# Altium PCB Copy of GameBoard_V1I1_083018.PcbDoc (part 18 of 21) (continued)
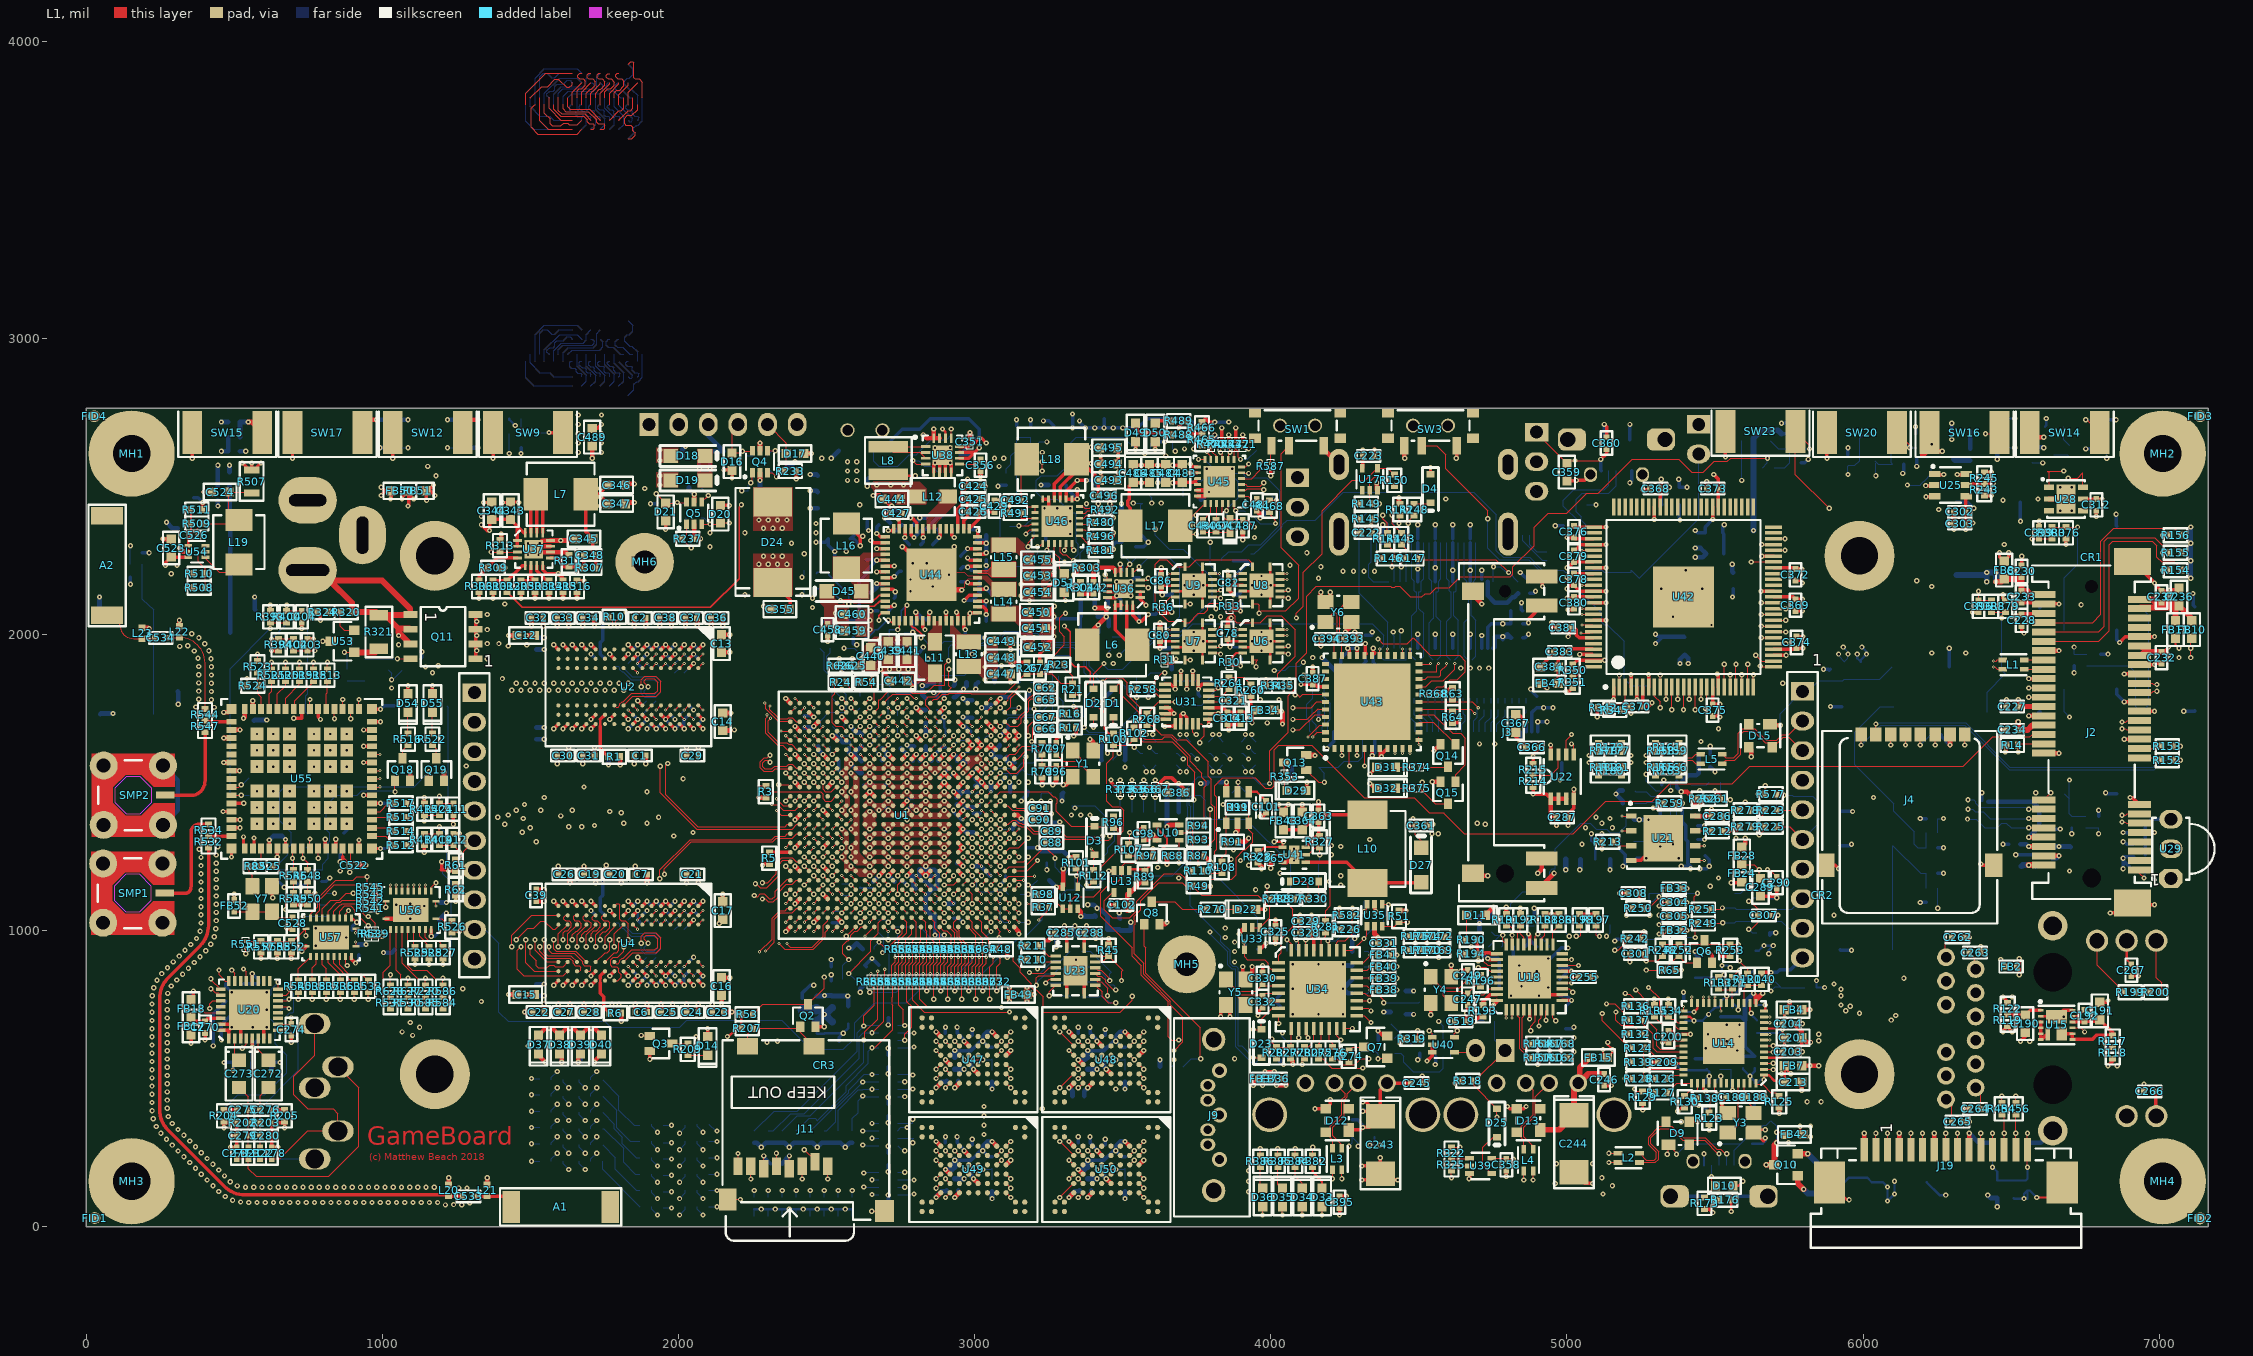
[diagram p0: L1 view]
## Nets (pads, with @x,y where several pads share a name; then routed paths per layer and width w, separated by ;. In a path a pad name is that pad's centre, name@x,y a point inside that pad or via, vN(x,y) a via of type N, cw(c..) or ccw(c..) an arc to the next point about the centre after c; other vN are vias at no path point) (continued)
  L12 w3.66: R572.1@1610.24,440.94 1610.24,433.07 v1(1629.92,413.39)
  L12 w3.94: R602.1@1948.82,283.46 v1(1976.38,283.46)
SD1_CMD: R599.2 R600.2 U1.B21 | length 1973.3
  L1 w3.66: U1.B21@3102.36,1137.8 v2(3118.11,1153.54)
  L10 w3.66: v1(1929.13,94.49) 1983.25,94.49 1997.88,109.11 2006.75,109.11 2055.26,157.62 2055.26,337.85 2062.99,345.59 2062.99,367.2 2090.6,394.8 2369.05,394.8 2601.26,627.01 2601.26,673.12 2619.93,691.79 2644.55,691.79 2728.48,775.73 2728.48,789.67 2828.58,889.76 3044.18,889.76 3118.39,963.97 3118.39,1050.58 3090.55,1078.42 3090.55,1098.55 3106.3,1114.3 3106.3,1141.73 v2(3118.11,1153.54)
  L12 w3.66: R599.2@1909.45,122.05 1909.45,114.17 v1(1929.13,94.49)
SD1_CMD_BOOT: R599.1 R616.1 | length 212.6
  L12 w3.94: R616.1@1744.09,275.59 1787.4,232.28 1787.4,192.91 1858.27,122.05 R599.1@1870.08,122.05
SD1_CMD_WIFI: R570.1 R600.1 | length 463.5
  L3 w3.66: v1(1629.92,248.03) 1657.2,220.75 1809.04,220.75 1903.8,125.98 1968.5,125.98 v1(1976.38,118.11)
  L12 w3.66: R570.1@1610.24,275.59 1610.24,267.72 v1(1629.92,248.03)
  L12 w3.94: R600.1@1948.82,118.11 v1(1976.38,118.11)
SD1_DATA0: R591.2 R592.2 U1.A21 | length 2030.5
  L1 w3.94: U1.A21@3133.86,1137.8 v2(3149.61,1153.54)
  L10 w3.94: v1(1929.13,39.37) 1933.07,43.31 1984.25,43.31 2000,59.06 2039.37,59.06 2062.99,82.68 2062.99,334.65 2078.74,350.39 2335.58,350.39 2609,623.81 2609,639.21 2666.69,696.91 2666.69,702.99 2736.22,772.52 2736.22,786.47 2827.71,877.95 3043.31,877.95 3126.12,960.77 3126.12,1053.79 3098.29,1081.62 3098.29,1094.35 3103.73,1099.8 3129.92,1125.98 3129.92,1133.86 v2(3149.61,1153.54)
  L12 w3.66: R591.2@1909.45,66.93 1909.45,59.05 v1(1929.13,39.37)
SD1_DATA0_BOOT: R221.1 R591.1 | length 205.7
  L12 w3.94: R221.1@1744.09,220.47 1744.09,192.91 R591.1@1870.08,66.93
SD1_DATA0_WIFI: R562.1 R592.1 | length 463.5
  L3 w3.66: v1(1629.92,192.91) 1644.55,178.29 1818.87,178.29 1922.36,74.8 1964.57,74.8 v1(1976.38,62.99)
  L12 w3.66: R562.1@1610.24,220.47 1610.24,212.6 v1(1629.92,192.91)
  L12 w3.94: R592.1@1948.82,62.99 v1(1976.38,62.99)
SD1_DATA1: R593.2 R594.2 U1.C20 | length 1910
  L1 w3.66: v2(3055.12,1153.54) U1.C20@3070.87,1169.29
  L10 w3.66: v1(1929.13,149.61) 1976.38,149.61 2040.37,213.6 2040.37,362.2 2080.57,402.4 2365.9,402.4 2593.66,630.16 2593.66,676.27 2616.78,699.39 2641.4,699.39 2720.89,778.87 2720.89,792.82 2829.64,901.57 3045.24,901.57 3110.79,967.12 3110.79,1047.43 3055.12,1103.1 v2(3055.12,1153.54)
  L12 w3.66: R593.2@1909.45,177.17 1909.45,169.29 v1(1929.13,149.61)
SD1_DATA1_BOOT: R230.1 R593.1 | length 217.3
  L12 w3.94: R230.1@1744.09,330.71 1748.03,330.71 1814.96,263.78 1814.96,216.54 1854.33,177.17 R593.1@1870.08,177.17
SD1_DATA1_WIFI: R564.1 R594.1 | length 463.5
  L3 w3.66: v1(1629.92,303.15) 1657.2,275.87 1810.75,275.87 1897.64,188.98 1960.63,188.98 v1(1976.38,173.23)
  L12 w3.66: R564.1@1610.24,330.71 1610.24,322.83 v1(1629.92,303.15)
  L12 w3.94: R594.1@1948.82,173.23 v1(1976.38,173.23)
SD1_DATA2: R595.2 R596.2 U1.E19 | length 1905.1
  L1 w3.66: U1.E19@3007.87,1200.79 v2(3023.62,1185.04)
  L10 w3.66: v1(1929.13,204.72) 1933.07,208.66 1987.19,208.66 1997.88,219.35 2010.69,219.35 2031.5,240.16 2031.5,364.08 2077.42,410 2362.76,410 2586.06,633.31 2586.06,679.42 2613.63,706.99 2638.25,706.99 2713.29,782.02 2713.29,795.96 2827.46,910.14 3043.06,910.14 3102.36,969.44 3102.36,980.28 3103.19,980.28 3103.19,1044.29 3039.37,1108.11 3039.37,1169.29 v2(3023.62,1185.04)
  L12 w3.66: R595.2@1909.45,232.28 1909.45,224.41 v1(1929.13,204.72)
SD1_DATA2_BOOT: R560.1 R595.1 | length 212.6
  L12 w3.94: R560.1@1744.09,385.83 1783.46,346.46 1783.46,329.75 1811.02,302.19 1811.02,279.53 1858.27,232.28 R595.1@1870.08,232.28
SD1_DATA2_WIFI: R566.1 R596.1 | length 463.5
  L3 w3.66: v1(1629.92,358.27) 1657.2,330.98 1697.64,330.98 1702.97,325.65 1816.08,325.65 1897.91,243.82 1960.91,243.82 v1(1976.38,228.35)
  L12 w3.66: R566.1@1610.24,385.83 1610.24,377.95 v1(1629.92,358.27)
  L12 w3.94: R596.1@1948.82,228.35 v1(1976.38,228.35)
SD1_DATA3: R597.2 R598.2 U1.F18 | length 1802.1
  L1 w3.66: v2(2960.63,1248.03) U1.F18@2976.38,1232.28
  L10 w3.66: v1(1929.13,318.9) 2035.43,425.2 2350.12,425.2 2570.73,645.81 2570.73,685.58 2607.34,722.18 2631.96,722.18 2677.17,767.39 2677.17,795.28 2818.9,937.01 2968.5,937.01 3042.19,1010.69 3058.93,1010.69 3069.74,1021.5 3069.74,1056.24 2987.07,1138.92 2986.07,1138.92 2977.5,1147.49 2977.5,1148.27 2976.65,1148.27 2976.38,1148.54 2976.38,1224.41 2960.63,1240.16 v2(2960.63,1248.03)
  L12 w3.66: R597.2@1909.45,346.46 R597.2@1909.45,342.52 1909.45,338.58 v1(1929.13,318.9)
SD1_DATA3_BOOT: R580.1 R597.1 | length 217.3
  L12 w3.94: R580.1@1744.09,496.06 1799.21,440.94 1799.21,393.7 1850.39,342.52 R597.1@1870.08,342.52
SD1_DATA3_WIFI: R568.1 R598.1 | length 461.9
  L3 w3.66: v1(1629.92,468.5) 1661.14,437.28 1843.82,437.28 1918.35,362.76 1956.14,362.76 v1(1976.38,342.52)
  L12 w3.66: R568.1@1610.24,496.06 1610.24,488.19 v1(1629.92,468.5)
  L12 w3.94: R598.1@1948.82,342.52 v1(1976.38,342.52)
SD2_ACT: Q3.1 U1.T3 | length 4276.7
  L1 w3.66: U1.T3@2661.42,1704.73 v3(2677.16,1688.98)
  L1 w3.94: v1(1874.02,645.67) 1875.98,643.7 Q3.1@1903.54,643.7
  L3 w3.94: v1(1283.46,1555.12) 1248.03,1590.55 1248.03,1842.52 1263.78,1858.27 1381.89,1858.27 1389.76,1850.39 v1(1405.51,1850.39) ; v1(2224.41,2133.86) 2303.15,2133.86 2307.09,2129.92 2338.58,2129.92 2374.02,2165.35 2414.58,2165.35 2435.25,2144.68 2454.26,2144.68 2467.52,2131.42 2467.52,2112.41 2503.94,2076 2503.94,2028.23 2516.42,2015.75 2566.93,2015.75 2603.35,1979.33 2608.48,1979.33 2617.13,1970.68 2617.13,1937.22 2603.35,1923.44 2603.35,1911.21 2629.92,1884.63 2629.92,1835.94 2662.01,1803.85 2662.01,1721.11 2665.35,1717.77 v4(2665.35,1700.79)
  L10 w3.94: v1(1283.46,1555.12) 1262.68,1534.33 1262.68,1454.24 1217.52,1409.08 1217.52,1348.89 1220.47,1345.94 1220.47,1226.08 1201.77,1207.38 1201.77,1070.87 1169.29,1038.39 1169.29,995.08 1159.24,995.08 1150.59,986.43 1150.59,985.24 1138.33,972.97 1114.7,972.97 996.06,854.33 996.06,811.02 1031.5,775.59 1102.23,775.59 1104.91,778.27 1169.97,778.27 1174.75,783.05 1189.39,783.05 1196.85,775.59 1209.6,775.59 1215.94,781.93 1223.43,781.93 1240.71,799.21 1242.9,799.21 1265.54,821.85 1277.77,821.85 1300.41,799.21 1334.65,799.21 1366.26,767.6 1366.26,758.24 1478.83,645.67 v1(1874.02,645.67) ; v1(1405.51,1850.39) 1425.2,1850.39 1460.63,1885.83 1704.72,1885.83 1744.09,1925.2 1744.09,2051.18 1783.46,2090.55 2208.66,2090.55 2224.41,2106.3 v1(2224.41,2133.86)
  L2 w3.94: v4(2665.35,1700.79) v3(2677.16,1688.98)
SD2_BT_EN: R621.1 R624.1 | length 2772.2
  L3 w3.94: v1(838.58,1125.98) 872.82,1125.98 925.2,1178.36 925.2,1240.16 960.63,1275.59 960.63,1381.89 922.24,1420.28 922.24,1462.81 937.01,1477.57 937.01,1546.05 951.77,1560.81 951.77,1573.04 944.88,1579.93 944.88,1606.3 1051.18,1712.6 1051.18,1885.83 1065.75,1900.39 1065.75,1947.64 1141.73,2023.62 1278.33,2023.62 1286.21,2031.5 1309.83,2031.5 1312.78,2028.54 1335.11,2028.54 1344.95,2038.39 1376.97,2038.39 1433.07,2094.49 1475.7,2094.49 1497.66,2116.45 1500.47,2116.45 1509.63,2107.28 1521.86,2107.28 1532.69,2118.11 1546.05,2118.11 1556.88,2107.28 1569.11,2107.28 1579.93,2118.11 1593.29,2118.11 1604.12,2107.28 1616.35,2107.28 1627.18,2118.11 1640.54,2118.11 1651.36,2107.28 1780.51,2107.28 1791.34,2118.11 2158.16,2118.11 2173.9,2102.36 2255.91,2102.36 2266.18,2112.64 2316.5,2112.64 2326.77,2102.36 2357.47,2102.36 2507.08,1952.76 v1(2559.06,1952.76)
  L12 w3.94: R624.1@814.96,1125.98 v1(838.58,1125.98) ; v1(2559.06,1952.76) 2593.29,1952.76 2613.96,1932.09 2626.97,1932.09 R621.1@2641.73,1917.32
SD2_CD: Q2.3 R53.1 U1.R6 | length 1383.4
  L1 w3.66: R53.1@2251.97,716.54 2285.43,750 Q2.3@2437.01,750 2492.13,805.12 v1(2492.13,842.52) ; U1.R6@2692.91,1610.24 v2(2708.66,1625.98)
  L10 w3.66: v1(2492.13,842.52) 2501.97,832.68 2534.46,832.68 2550.06,848.27 2550.06,861.02 2565.6,876.56 2581.6,876.56 2605.18,900.13 2605.18,900.45 2637.66,932.93 2637.66,971.24 2674.29,1007.87 2709.79,1007.87 2725.53,1023.61 2725.53,1034.49 2740.43,1049.39 2740.43,1101.57 2757.03,1118.17 2757.03,1129.92 2763.78,1136.67 2777.71,1136.67 2791.34,1150.3 2791.34,1259.78 2786.21,1264.9 2765.6,1264.9 2755.91,1274.59 2755.91,1606.3 2736.22,1625.98 v2(2708.66,1625.98)
SD2_CDn: J11.9 J11.10 Q2.1 R207.1 | length 355.2
  L1 w3.66: 2204.72,637.8 J11.10@2233.27,609.25 2233.27,650.59 R207.1@2251.97,669.29 2405.51,669.29 Q2.1@2411.42,675.2 2411.42,655.51 J11.9@2457.68,609.25
SD2_CLK: R56.2 R613.2 R614.2 | length 1590
  L10 w3.66: v1(2082.68,259.84) 2145.67,259.84 2185.32,299.49 2258.38,299.49 2264.03,305.14 2333.74,305.14 2660.63,632.03 2674.27,632.03 2694.04,651.79 2694.04,687.16 2709.63,702.76 2709.63,715.38 2779.53,785.27 2779.53,804.22 2832.19,856.88 3098.03,856.88 3124.86,883.71 3124.86,914.15 3139.57,928.86 3169.34,928.86 3177.17,936.68 3177.17,1027.56 v2(3181.1,1027.56)
  L12 w3.66: R613.2@2062.99,287.4 2062.99,279.53 v1(2082.68,259.84) ; R56.2@3153.54,1027.56 v2(3181.1,1027.56)
SD2_CLK_BOOT: R613.1 R619.1 | length 560.3
  L3 w3.66: v1(1685.04,413.39) 1710.06,388.37 1828.17,388.37 1883.01,333.52 1936.06,333.52 1962.22,307.36 1969.29,307.36 1978.57,298.09 1982.44,298.09 1993.13,287.4 v1(2129.92,287.4)
  L12 w3.66: R619.1@1665.35,440.95 1665.35,433.07 v1(1685.04,413.39)
  L12 w3.94: R613.1@2102.36,287.4 v1(2129.92,287.4)
SD2_CLK_R: R56.1 U1.C21 | length 137.4
  L1 w3.66: U1.C21@3070.87,1137.8 v2(3086.61,1122.05)
  L12 w3.66: v2(3086.61,1122.05) 3086.61,1039.37 3098.43,1027.56 R56.1@3114.17,1027.56
SD2_CLK_WIFI: R573.1 R614.1 | length 640
  L3 w3.94: v1(1503.94,444.88) 1570.73,378.09 1698.65,378.09 1703.71,373.03 1819.01,373.03 1900.84,291.2 1947.89,291.2 1961.61,277.48 1961.61,277.35 1975.18,263.78 2000,263.78 v1(2003.94,259.84)
  L12 w3.66: v1(2003.94,259.84) 2023.62,279.53 R614.1@2023.62,287.4
  L12 w3.94: v1(1503.94,444.88) R573.1@1531.5,444.88
SD2_CMD: R52.1 R55.2 R611.2 R612.2 | length 1884.5
  L10 w3.66: v1(2082.68,94.49) 2090.55,86.61 2137.8,86.61 2181.1,129.92 2181.1,173.23 2224.68,216.81 2224.68,251.18 2250.2,276.69 2267.82,276.69 2273.47,282.34 2368.96,282.34 2629.65,543.03 2640.39,543.03 2650.43,553.07 2681.99,584.63 2686.44,589.08 2686.44,611.57 2738.48,663.61 2738.48,689.66 2802.32,753.49 2802.32,794.77 2829.96,822.41 3095.8,822.41 3147.69,874.29 3157.76,874.29 3179.02,895.56 3179.02,906.3 3206.67,933.95 3206.67,972.19 3216.26,981.78 3216.26,1064.33 3181.1,1099.49 v2(3181.1,1122.05)
  L12 w3.66: R611.2@2062.99,122.05 2062.99,114.17 v1(2082.68,94.49) ; R55.2@3153.54,1122.05 v2(3181.1,1122.05) R52.1@3213.07,1122.05
SD2_CMD_BOOT: R611.1 R617.1 | length 560.4
  L3 w3.66: v1(1685.04,248.03) 1704.72,228.35 1812.19,228.35 1876.3,164.23 1942.94,164.23 1946.28,160.89 1946.28,160.76 1965.17,141.87 1973.37,141.87 1993.19,122.05 v1(2129.92,122.05)
  L12 w3.66: R617.1@1665.35,275.59 1665.35,267.72 v1(1685.04,248.03)
  L12 w3.94: R611.1@2102.36,122.05 v1(2129.92,122.05)
SD2_CMD_R: R55.1 U1.F19 | length 195.4
  L1 w3.66: U1.F19@2976.38,1200.79 v2(2992.13,1185.04)
  L12 w3.66: v2(2992.13,1185.04) 3007.87,1169.29 3007.87,1137.8 3015.75,1129.92 3062.99,1129.92 3070.87,1137.8 3098.43,1137.8 R55.1@3114.17,1122.05
SD2_CMD_WIFI: R571.1 R612.1 | length 639.9
  L3 w3.94: v1(1503.94,279.53) 1570.45,213.01 1805.84,213.01 1900.6,118.25 1944.74,118.25 1968.5,94.49 v1(2003.94,94.49)
  L12 w3.66: v1(2003.94,94.49) 2023.62,114.17 R612.1@2023.62,122.05
  L12 w3.94: v1(1503.94,279.53) R571.1@1531.5,279.53
SD2_DATA0: R603.2 R604.2 U1.A22 | length 1952.2
  L1 w3.66: U1.A22@3133.86,1106.3 v2(3149.61,1090.55)
  L10 w3.66: v1(2082.68,39.37) 2123.05,39.37 2144.55,60.87 2144.55,61.87 2220.47,137.8 2282.59,137.8 2368.95,224.15 2380.66,224.15 2389.23,232.72 2389.23,291.87 2632.79,535.43 2643.54,535.43 2694.04,585.93 2694.04,608.42 2746.08,660.47 2746.08,686.51 2809.92,750.35 2809.92,791.63 2829.32,811.02 3095.16,811.02 3150.83,866.69 3160.9,866.69 3186.62,892.41 3186.62,903.15 3214.27,930.81 3214.27,969.05 3224.41,979.18 3224.41,1066.93 3195.73,1095.61 3195.73,1128.11 3187.16,1136.67 3186.16,1136.67 3185.04,1137.8 3169.29,1137.8 3161.42,1129.92 3161.42,1102.36 v2(3149.61,1090.55)
  L12 w3.66: R603.2@2062.99,66.93 2062.99,59.06 v1(2082.68,39.37)
SD2_DATA0_BOOT: R229.1 R603.1 | length 560.3
  L3 w3.66: v1(1685.04,192.91) 1795.28,192.91 1795.55,192.64 1815.27,192.64 1897.39,110.51 1941.54,110.51 1965.3,86.75 1976.24,86.75 1996.06,66.93 v1(2129.92,66.93)
  L12 w3.66: R229.1@1665.35,220.47 1665.35,212.6 v1(1685.04,192.91)
  L12 w3.94: R603.1@2102.36,66.93 v1(2129.92,66.93)
SD2_DATA0_WIFI: R563.1 R604.1 | length 638.3
  L3 w3.94: v1(1503.94,220.47) 1559.06,165.35 1820.87,165.35 1923.23,62.99 1944.88,62.99 1968.5,39.37 v1(2003.94,39.37)
  L12 w3.66: v1(2003.94,39.37) 2023.62,59.06 R604.1@2023.62,66.93
  L12 w3.94: v1(1503.94,220.47) R563.1@1531.5,220.47
SD2_DATA1: R605.2 R606.2 U1.E20 | length 2093.2
  L1 w3.66: v2(2992.13,1153.54) U1.E20@3007.87,1169.29
  L10 w3.66: v1(2082.68,149.61) 2140.73,149.61 2217.09,225.96 2217.09,254.33 2247.05,284.29 2264.67,284.29 2270.32,289.94 2365.81,289.94 2626.5,550.63 2637.24,550.63 2678.84,592.22 2678.84,614.72 2730.89,666.76 2730.89,690.31 2728.35,692.85 2728.35,712.6 2794.72,778.98 2794.72,797.92 2830.15,833.35 3096,833.35 3144.54,881.89 3154.61,881.89 3171.42,898.7 3171.42,909.45 3192.91,930.94 3192.91,1007.94 3207.26,1022.29 3207.26,1048.64 3181.1,1074.8 3144.67,1074.8 3133.86,1085.62 3133.86,1117.11 3164.23,1147.49 3164.23,1162.42 3157.36,1169.29 3059.06,1169.29 3038.25,1190.1 3038.25,1191.1 3029.68,1199.67 3028.68,1199.67 3027.56,1200.79 3015.75,1200.79 3007.87,1192.91 3007.87,1169.29 v2(2992.13,1153.54)
  L12 w3.66: R605.2@2062.99,177.17 2062.99,169.29 v1(2082.68,149.61)
SD2_DATA1_BOOT: R559.1 R605.1 | length 562.7
  L3 w3.66: v1(1685.04,303.15) 1699.72,303.15 1719.41,283.46 1819.96,283.46 1882.96,220.47 1945.75,220.47 1946.28,219.95 1946.28,215.88 1974.3,187.85 1982.44,187.85 1993.12,177.17 v1(2129.92,177.17)
  L12 w3.66: R559.1@1665.35,330.71 1665.35,322.83 v1(1685.04,303.15)
  L12 w3.94: R605.1@2102.36,177.17 v1(2129.92,177.17)
SD2_DATA1_WIFI: R565.1 R606.1 | length 640.1
  L3 w3.94: v1(1503.94,334.65) 1570.45,268.13 1802.74,268.13 1889.9,180.96 1948.09,180.96 1961.61,167.44 1961.61,167.11 1970.26,158.46 1978.46,158.46 1987.32,149.61 v1(2003.94,149.61)
  L12 w3.66: v1(2003.94,149.61) 2023.62,169.29 R606.1@2023.62,177.17
  L12 w3.94: v1(1503.94,334.65) R565.1@1531.5,334.65
SD2_DATA2: R607.2 R608.2 U1.A23 | length 1703.5
  L1 w3.66: U1.A23@3133.86,1074.8 v2(3149.61,1059.06)
  L10 w3.66: v1(2082.68,204.72) 2125.98,204.72 2213.15,291.89 2261.53,291.89 2267.17,297.54 2336.91,297.54 2607.64,568.27 2640.48,568.27 2671.24,599.03 2671.24,617.86 2723.29,669.91 2723.29,687.16 2720.47,689.98 2720.47,715.47 2787.13,782.12 2787.13,801.07 2831.8,845.74 3097.64,845.74 3132.46,880.56 3132.46,911 3142.72,921.26 3172.49,921.26 3185.32,934.09 3185.32,1011.09 3199.67,1025.44 3199.67,1040.49 3181.1,1059.06 v2(3149.61,1059.06)
  L12 w3.66: R607.2@2062.99,232.28 2062.99,224.41 v1(2082.68,204.72)
SD2_DATA2_BOOT: R561.1 R607.1 | length 562.7
  L3 w3.66: v1(1685.04,358.27) 1685.04,354.33 1706.12,333.25 1836.04,333.25 1894.82,274.47 1942.94,274.47 1946.28,271.13 1946.28,271 1974.3,242.97 1982.44,242.97 1993.13,232.28 v1(2129.92,232.28)
  L12 w3.66: R561.1@1665.35,385.83 1665.35,377.95 v1(1685.04,358.27)
  L12 w3.94: R607.1@2102.36,232.28 v1(2129.92,232.28)
SD2_DATA2_WIFI: R567.1 R608.1 | length 642.3
  L3 w3.94: v1(1503.94,389.76) 1574.8,318.9 1698.79,318.9 1699.77,317.91 1808.07,317.91 1889.9,236.08 1951.83,236.08 1961.61,226.3 1961.61,222.23 1970.26,213.58 1995.08,213.58 v1(2003.94,204.72)
  L12 w3.66: v1(2003.94,204.72) 2023.62,224.41 R608.1@2023.62,232.28
  L12 w3.94: v1(1503.94,389.76) R567.1@1531.5,389.76
SD2_DATA3: R609.2 R610.2 U1.B22 | length 1566
  L1 w3.66: U1.B22@3102.36,1106.3 v2(3118.11,1090.55)
  L10 w3.66: v1(2082.68,318.9) 2094.49,307.09 2255.23,307.09 2260.88,312.74 2330.6,312.74 2657.49,639.63 2671.12,639.63 2686.44,654.94 2686.44,690.31 2702.03,705.91 2702.03,718.52 2771.93,788.42 2771.93,807.36 2831.05,866.48 3046.58,866.48 3104.18,924.07 3105.18,924.07 3134.98,953.88 3134.98,1073.68 v2(3118.11,1090.55)
  L12 w3.66: R609.2@2062.99,346.46 2062.99,338.58 v1(2082.68,318.9)
SD2_DATA3_BOOT: R609.1 R615.1 | length 578.3
  L3 w3.66: v1(1685.04,468.5) 1708.66,444.88 1846.97,444.88 1921.5,370.35 1980.04,370.35 2003.94,346.46 2106.3,346.46 v1(2129.92,322.83)
  L12 w3.66: R615.1@1665.35,496.06 1665.35,488.19 v1(1685.04,468.5)
  L12 w3.94: R609.1@2102.36,346.46 2125.98,322.83 v1(2129.92,322.83)
SD2_DATA3_WIFI: R569.1 R610.1 | length 640.1
  L3 w3.94: v1(1503.94,500) 1523.62,500 1594.07,429.55 1813.68,429.55 1888.89,354.33 1944.01,354.33 1961.61,336.73 1961.61,336.4 1970.26,327.76 1991.14,327.76 v1(2003.94,314.96)
  L12 w3.66: v1(2003.94,314.96) 2023.62,334.65 R610.1@2023.62,342.52
  L12 w3.94: v1(1503.94,500) R569.1@1531.5,500
SD2_WP: R54.1 R620.2 R621.2 U1.T1 | length 164.3
  L1 w3.94: v1(2653.54,1862.2) R54.1@2653.54,1838.58 2653.54,1818.22 2661.42,1810.35 U1.T1@2661.42,1767.72
  L12 w3.94: v1(2653.54,1862.2) 2666.34,1875 2666.34,1902.56 R620.2@2681.1,1917.32
SD2_WP_BOOT: R208.2 R620.1 R622.1 | length 98.7
  L12 w3.94: R620.1@2720.47,1917.32 2740.16,1897.64 R208.2@2811.02,1897.64
SEL: SW1.2 U6.7 U7.7 U8.7 U9.7 | length 1525.1
  L1 w3.94: U7.7@3710.63,1913.39 v1(3728.35,1913.39) ; U9.7@3710.63,2102.36 v1(3728.35,2102.36) ; U6.7@3938.98,1913.39 3956.69,1913.39 3950.58,1907.27 v1(3950.58,1890.75) ; U8.7@3938.98,2102.36 3956.69,2102.36 3960.63,2098.43 v1(3960.63,2070.87) 3968.5,2078.74 4051.18,2078.74 4094.49,2122.05 4094.49,2232.96 4035.43,2292.01 4035.43,2610.24 SW1.2@4061.02,2635.83
  L10 w3.94: v1(3950.58,1890.75) 3939.75,1901.57 3910.64,1901.57 3903.75,1908.46 3891.52,1908.46 3884.63,1901.57 3815.64,1901.57 3803.83,1913.39 v1(3728.35,1913.39) 3725.39,1916.34 3725.39,2099.41 v1(3728.35,2102.36) 3776.78,2102.36 3807.3,2071.85 3821.08,2071.85 3823.04,2073.82 3868.32,2073.82 3872.78,2069.36 3875,2069.36 3893.18,2051.18 3923.23,2051.18 3942.91,2070.87 v1(3960.63,2070.87)
SEL_L1: C415.1 R424.1 U43.27 | length 3330.1
  L1 w3.94: U43.27@4368.11,1929.13 v3(4368.11,1950.79)
  L3 w3.94: v4(4368.11,1933.07) 4377.83,1933.07 4389.05,1944.29 4398.35,1944.29 4404.92,1937.72 4404.92,1937.6 4425.2,1917.32 4514.55,1917.32 4530.3,1901.57 4586.61,1901.57 4590.55,1905.51 4590.55,1944.88 4593.5,1947.83 4761.9,1947.83 4768.79,1940.94 4804.64,1940.94 4806.6,1938.98 5029.32,1938.98 5037.19,1946.85 5049.42,1946.85 5057.3,1938.98 5100.24,1938.98 5112.05,1950.79 5142.66,1950.79 5155.66,1963.79 5155.66,1981.64 5229.33,2055.31 5229.33,2060.44 5270.27,2101.38 5275.4,2101.38 5280.32,2106.3 5448.51,2106.3 5550.87,2208.66 5809,2208.66 5907.42,2110.24 6110.24,2110.24 v1(6181.1,2181.1)
  L10 w3.94: v1(6181.1,2181.1) 6181.1,2029.72 6258.07,1952.76 6258.07,1619.87 6251.97,1613.77 v1(6251.97,1074.8)
  L2 w3.94: v4(4368.11,1933.07) v3(4368.11,1950.79)
  L12 w3.94: v1(6251.97,1074.8) C415.1@6251.97,1094.49 R424.1@6251.97,1141.73
SEL_L2: C414.1 R428.1 U43.26 | length 3013.3
  L1 w3.94: U43.26@4393.7,1929.13 v3(4393.7,1950.79)
  L3 w3.94: v4(4393.7,1933.07) 4417.32,1909.45 4469.18,1909.45 4484.93,1893.7 4602.36,1893.7 4622.04,1913.38 4622.04,1918.03 4628.61,1924.61 4637.91,1924.61 4647.01,1915.51 4659.76,1915.51 4661.57,1917.32 4681.93,1917.32 4688.82,1924.21 4709.19,1924.21 4717.06,1932.09 4732.44,1932.09 4755.38,1932.09 4762.27,1925.2 4798.11,1925.2 4800.08,1923.23 4805.79,1923.23 4839.26,1889.76 5073.3,1889.76 5118.58,1935.04 5149.18,1935.04 5171.41,1957.27 5171.41,1975.12 5245.08,2048.79 5245.08,2053.92 5276.79,2085.63 5281.92,2085.63 5286.84,2090.55 5457.31,2090.55 5555.74,2188.98 5799.21,2188.98 5838.58,2149.61 5845.78,2149.61 5906.19,2089.2 6131.27,2089.2 6203.49,2161.42 v1(6232.28,2161.42)
  L10 w3.94: v1(6232.28,2161.42) 6232.28,2043.31 6271.65,2003.94 v1(6271.65,1377.95)
  L2 w3.94: v4(4393.7,1933.07) v3(4393.7,1950.79)
  L12 w3.94: R428.1@6251.97,1330.71 C414.1@6251.97,1377.95 v1(6271.65,1377.95)
SEL_R1: C412.1 R419.1 U43.23 | length 7335.9
  L1 w3.94: R419.1@1192.91,1287.4 C412.1@1240.16,1287.4 1259.84,1267.72 v1(1259.84,1263.78) ; U43.23@4470.47,1929.13 v3(4470.47,1950.79)
  L3 w3.94: v1(1153.54,2566.93) 1653.54,2566.93 1673.23,2547.24 1807.09,2547.24 1826.77,2566.93 1972.44,2566.93 1976.38,2570.87 2028.39,2570.87 2054.97,2597.44 2165.51,2597.44 2176.33,2586.61 2237.46,2586.61 2257.14,2566.93 2263.66,2566.93 2270.55,2573.82 2352.11,2573.82 2365.16,2560.77 2383.59,2560.77 2384.32,2560.04 2404.43,2560.04 2419.19,2574.8 2535.43,2574.8 2562.99,2602.36 2674.58,2602.36 2736.59,2540.35 2770.21,2540.35 2790.88,2519.69 2807.55,2519.69 2828.22,2540.35 2984.87,2540.35 3082.31,2637.8 3165.35,2637.8 3169.29,2633.86 3169.29,2545.33 3194.94,2519.68 3248.03,2519.68 3319.88,2447.83 3332.21,2447.83 3345.47,2434.57 3345.47,2421.05 3360.94,2405.58 3360.94,2387.09 3367.13,2380.91 3393.91,2380.91 3437.22,2424.21 3481.14,2424.21 3499.02,2406.34 3499.02,2398.47 3500.83,2396.65 3628.26,2396.65 3665.66,2434.06 3699.19,2434.06 3721.82,2456.69 3728.35,2456.69 3884.84,2613.19 3909.97,2613.19 3920.79,2602.36 3952.24,2602.36 3955.19,2605.31 3973.94,2605.31 3976.9,2602.36 4154.22,2602.36 4213.27,2661.42 4298.82,2661.42 4306.69,2653.54 4377.28,2653.54 4437.99,2592.83 4437.99,2588.37 4494.87,2531.5 4676.49,2531.5 4692.24,2515.75 4761.75,2515.75 4820.81,2456.69 4838.58,2456.69 4866.14,2429.13 4956.69,2429.13 4996.06,2389.76 5136.35,2389.76 5154.53,2371.58 5154.53,2345.93 5186.02,2314.44 5186.02,2045.41 5132.04,1991.43 5132.04,1974.41 5102.27,1974.41 5090.46,1962.6 5067.08,1962.6 5059.21,1970.47 5027.41,1970.47 5019.53,1962.6 4816.39,1962.6 4814.42,1964.57 4778.58,1964.57 4771.69,1971.46 4485.91,1971.46 4480.99,1976.38 4478.35,1976.38 v4(4470.47,1968.5) ; v1(1169.29,1870.08) 1149.61,1850.39 1149.61,1632.99 1172.95,1609.64 1172.95,1562.72 1187.72,1547.96 1187.72,1474.99 1178.15,1465.42 1178.15,1424.21 1216.54,1385.83 1216.54,1346.46 1227.01,1335.98 1227.01,1296.61 v1(1259.84,1263.78)
  L10 w3.94: v1(1153.54,2566.93) 1153.54,2515.75 1291.48,2377.81 1291.48,2366 1320.2,2337.29 1320.2,2146.29 1181.1,2007.2 1181.1,1996.06 1169.29,1984.25 v1(1169.29,1870.08)
  L2 w3.94: v3(4470.47,1950.79) v4(4470.47,1968.5)
SEL_R2: C411.1 R421.1 U43.24 | length 6937.2
  L1 w3.94: v1(1192.91,1452.76) R421.1@1192.91,1429.13 C411.1@1240.16,1429.13 ; U43.24@4444.88,1929.13 v3(4444.88,1950.79)
  L3 w3.94: v1(1181.1,2535.43) 1854.33,2535.43 1874.02,2555.12 1980.99,2555.12 1988.86,2562.99 2031.65,2562.99 2058.23,2589.57 2162.24,2589.57 2173.07,2578.74 2234.19,2578.74 2253.88,2559.06 2266.92,2559.06 2273.81,2565.94 2348.85,2565.94 2362.63,2552.17 2407.69,2552.17 2422.45,2566.93 2538.69,2566.93 2558.38,2586.61 2679.19,2586.61 2745.14,2520.67 2778.76,2520.67 2787.62,2511.81 2810.81,2511.81 2831.48,2532.48 2836.67,2532.48 2908.52,2460.63 3006.68,2460.63 3029.32,2437.99 3041.55,2437.99 3071.08,2467.52 3092.73,2467.52 3104.54,2455.71 3280.51,2455.71 3308.07,2428.15 ; v1(1188.98,1893.7) 1195.59,1887.09 1195.59,1569.38 1223.43,1541.55 1223.43,1529.32 1195.59,1501.48 1195.59,1455.43 v1(1192.91,1452.76) ; 3308.07,2419.08 3308.07,2428.15 ; v4(4444.88,1968.5) 4447.44,1971.06 4459.25,1971.06 4459.25,1973.15 4470.35,1984.25 4484.25,1984.25 4489.17,1979.33 4774.95,1979.33 4781.84,1972.44 4817.68,1972.44 4819.65,1970.47 5016.27,1970.47 5024.15,1978.35 5062.47,1978.35 5070.34,1970.47 5087.2,1970.47 5099.01,1982.28 5124.17,1982.28 5124.17,1994.69 5178.15,2048.67 5178.15,2082.53 5170.28,2090.4 5170.28,2319.05 5146.65,2342.67 5146.65,2368.32 5133.08,2381.89 4902.25,2381.89 4835.32,2448.82 4817.55,2448.82 4758.49,2507.87 4688.98,2507.87 4673.23,2523.62 4491.61,2523.62 4430.12,2585.11 4430.12,2589.57 4374.02,2645.67 4208.66,2645.67 4157.48,2594.49 3973.64,2594.49 3970.68,2597.44 3958.45,2597.44 3955.5,2594.49 3914.58,2594.49 3903.75,2605.31 3891.52,2605.31 3735.03,2448.82 3725.09,2448.82 3677.84,2401.57 3665.35,2401.57 3652.56,2388.78 3497.57,2388.78 3491.14,2395.2 3491.14,2403.08 3477.88,2416.34 3440.48,2416.34 3393.03,2368.88 3364.23,2368.88 3353.07,2380.05 3353.07,2402.32 3337.6,2417.79 3337.6,2431.31 3328.95,2439.96 3316.72,2439.96 3308.07,2431.31 3308.07,2428.15
  L10 w3.94: v1(1181.1,2535.43) 1212.74,2503.8 1212.74,2477.11 1299.35,2390.5 1299.35,2369.27 1334.65,2333.97 1334.65,2149.61 1188.98,2003.94 v1(1188.98,1893.7)
  L2 w3.94: v3(4444.88,1950.79) v4(4444.88,1968.5)
SENSE_1V5: R90.1 R95.2 U11.5 | length 114.9
  L1 w3.94: U11.5@3887.8,1468.5 3889.76,1470.47 v1(3889.76,1500)
  L12 w3.94: R90.1@3870.08,1464.57 3889.76,1484.25 v1@3889.76,1492.13 ; v1(3889.76,1500) v1@3889.76,1492.13 ; R95.2@3917.32,1464.57 v1@3889.76,1492.13
SLOW_CLK: R525.1 U57.1 | length 436.3
  L1 w3.94: R525.1@629.92,1216.54 637.8,1216.54 v1(669.29,1185.04) ; v3(909.45,992.13) 911.42,994.09 U57.1@911.42,1005.91
  L3 w3.94: v1(669.29,1185.04) 677.17,1192.91 779.53,1192.91 809.05,1163.39 809.05,1090.55 v4(895.67,1003.94)
  L2 w3.94: v4(895.67,1003.94) 897.64,1003.94 v3(909.45,992.13)
SPLIT: C307.1 R241.1 R244.2 R246.2 | length 250.4
  L1 w3.94: v1(5614.17,1003.94) 5622.05,1003.94 5645.67,1027.56 5645.67,1047.24 5645.67,1070.87 5618.11,1098.43 v1(5614.17,1098.43)
  L12 w3.94: v1(5614.17,1003.94) 5625.98,992.13 R241.1@5641.73,992.13 ; v1(5614.17,1098.43) 5625.98,1110.24 R246.2@5641.73,1110.24 5677.17,1145.67 R244.2@5677.17,1153.54
SPLIT_R: R244.1 U26.5 | length 82.2
  L12 w3.94: U26.5@5566.93,1126.18 5586.81,1126.18 5610.24,1149.61 5633.86,1149.61 R244.1@5637.8,1153.54
SRC_BOOT_CFG_00: R642.1 U1.L20 | length 394.6
  L1 w3.66: v3(2803.15,1185.04) U1.L20@2818.9,1169.29
  L1 w3.94: R642.1@2767.72,837.2 2767.72,881.89 2779.53,893.7 v3(2779.53,909.45)
  L3 w3.94: v4(2779.53,930.51) 2811.02,962.01 2811.02,1169.29 v4(2814.96,1173.23)
  L2 w3.94: v3(2779.53,909.45) v4(2779.53,930.51) ; v3(2803.15,1185.04) v4(2814.96,1173.23)
SRC_BOOT_CFG_01: R643.1 U1.J25 | length 92.5
  L1 w3.66: U1.J25@2881.89,1011.81 2894.82,998.88 2906.63,998.88 2921.26,984.25 2921.26,959.25 R643.1@2909.45,947.44
SRC_BOOT_CFG_02: R644.1 U1.L21 | length 328.3
  L1 w3.66: U1.L21@2818.9,1137.8 v3(2834.65,1122.05)
  L1 w3.94: R644.1@2838.58,837.2 2838.58,881.89 2850.39,893.7 v3(2850.39,909.45)
  L3 w3.94: v4(2846.46,1110.24) 2834.65,1098.43 2834.65,1022.95 2834.65,969.85 2834.65,957.24 2850.39,941.5 v4(2850.39,930.51)
  L2 w3.94: v3(2834.65,1122.05) v4(2846.46,1110.24) ; v3(2850.39,909.45) v4(2850.39,930.51)
SRC_BOOT_CFG_03: R645.1 U1.K24 | length 110.5
  L1 w3.66: U1.K24@2850.39,1043.31 2866.14,1027.56 2866.14,1007.18 2883.01,990.31 2883.01,950.26 R645.1@2885.83,947.44
SRC_BOOT_CFG_04: R646.1 U1.L22 | length 312.6
  L1 w3.66: U1.L22@2818.9,1106.3 v3(2834.65,1090.55)
  L1 w3.94: R646.1@2885.83,837.2 2885.83,881.89 2897.64,893.7 v3(2897.64,909.45)
  L3 w3.94: v4(2846.46,1078.74) 2854.33,1070.87 2854.33,1055.24 2857.68,1051.89 2857.68,1042.6 2854.33,1039.25 2854.33,1020.36 2850.39,1016.42 2850.39,977.76 v4(2897.64,930.51)
  L2 w3.94: v3(2834.65,1090.55) v4(2846.46,1078.74) ; v3(2897.64,909.45) v4(2897.64,930.51)
SRC_BOOT_CFG_05: R647.1 U1.L23 | length 268.6
  L1 w3.66: U1.L23@2818.9,1074.8 v3(2834.65,1059.06)
  L1 w3.94: R647.1@2862.2,837.2 2862.2,881.89 2874.02,893.7 v3(2874.02,909.45)
  L3 w3.94: v4(2846.46,1047.24) 2846.46,1023.62 2842.52,1019.68 2842.52,962.01 v4(2874.02,930.51)
  L2 w3.94: v3(2834.65,1059.06) v4(2846.46,1047.24) ; v3(2874.02,909.45) v4(2874.02,930.51)
SRC_BOOT_CFG_06: R648.1 U1.K25 | length 69.3
  L1 w3.66: U1.K25@2850.39,1011.81 2850.39,972.88 2862.2,961.07 R648.1@2862.2,947.44
SRC_BOOT_CFG_07: R649.1 U1.L25 | length 66
  L1 w3.66: R649.1@2814.96,947.44 2814.96,960.63 2818.9,964.57 U1.L25@2818.9,1011.81